# Altium PCB DigitalLabBoard - Save.PcbDoc (part 2 of 2)
Units mil, origin at the board's own origin, x right, y up, seen from the top; angles counter-clockwise.
Board outline 5905.51 x 4133.86 mil, 2 copper layers (Top Layer, Bottom Layer); 169 components, 172 nets, 721 pads, 694 vias.
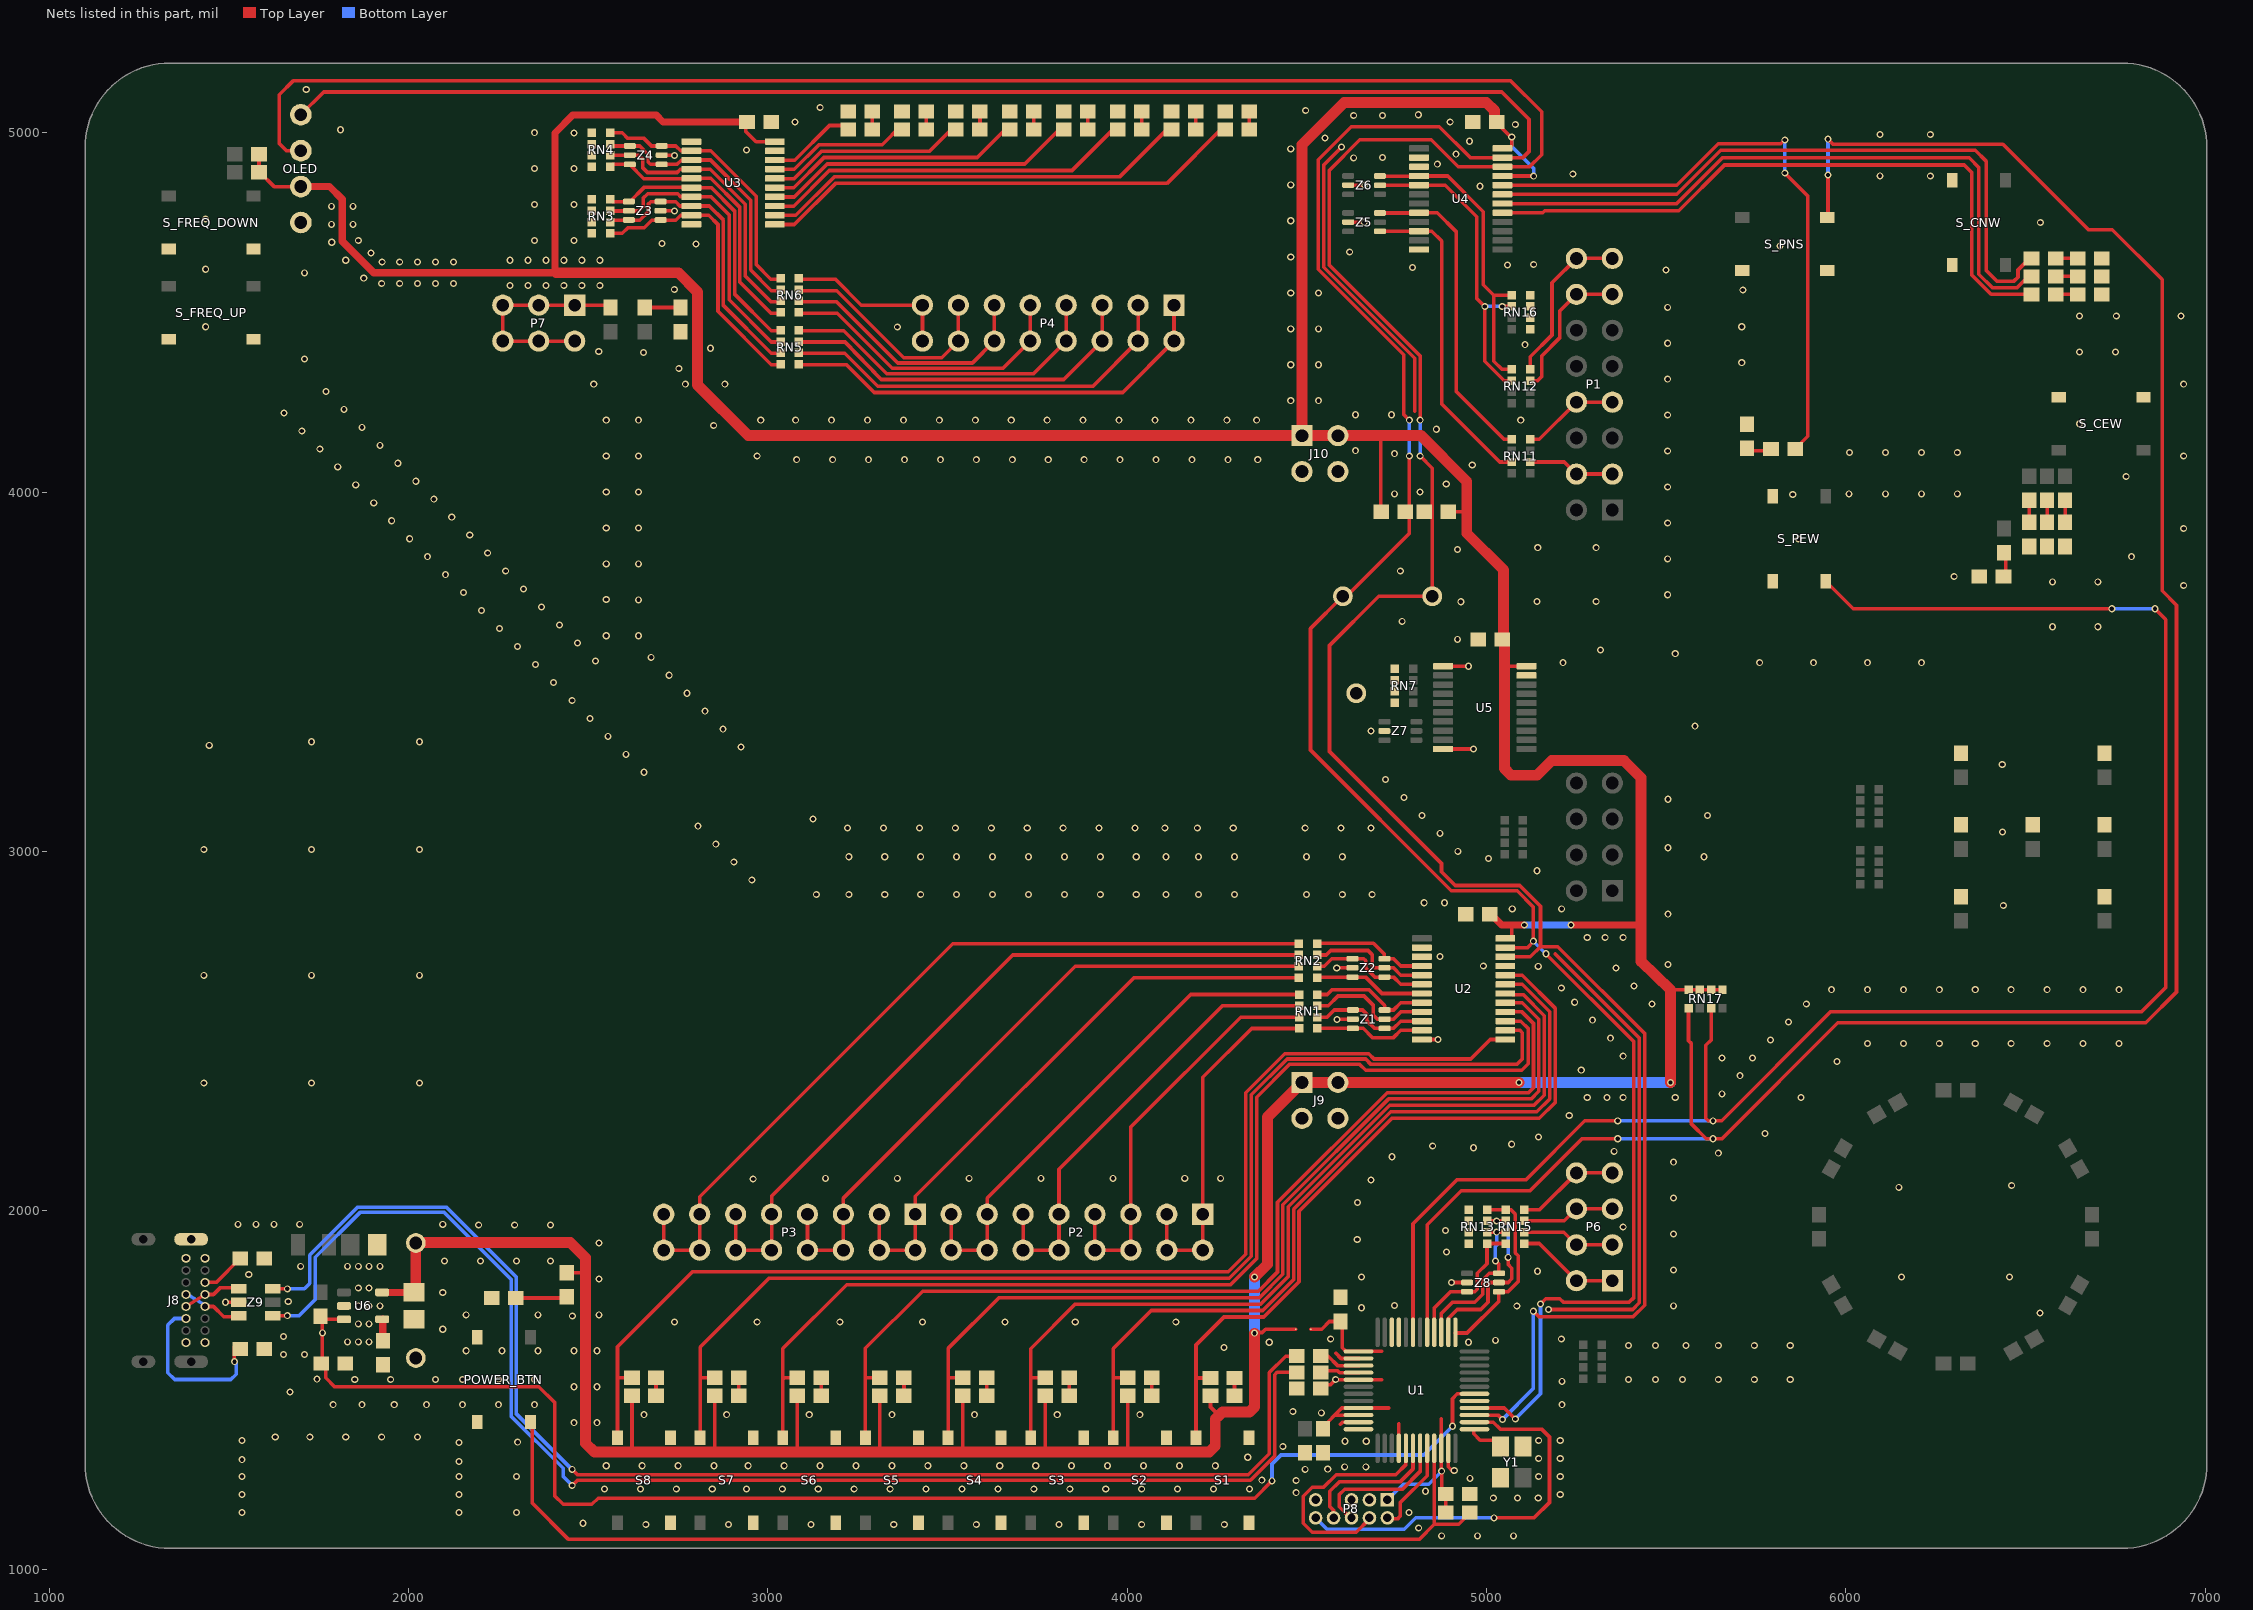
[diagram p2: the nets of this part, all layers, seen from the top]

## Via types
v1: diameter 19.68, hole 11.81, Top Layer to Bottom Layer, tented both sides, 694 vias

## Nets (pads, with @x,y where several pads share a name; then routed paths per layer and width w, separated by ;. In a path a pad name is that pad's centre, name@x,y a point inside that pad or via, vN(x,y) a via of type N, cw(c..) or ccw(c..) an arc to the next point about the centre after c; other vN are vias at no path point) (continued)
GND: C1.1 C2.1 C3.1 C4.1 C5.1 C6.1 C7.1 C8.1 C9.1 C10.1 C11.1 C12.1 D17.K DIE_LED_A.K DIE_LED_B1.K DIE_LED_B2.K DIE_LED_C1.K DIE_LED_C2.K DIE_LED_D1.K DIE_LED_D2.K J8.A1 J8.A12 J8.B1 J8.B12 J8.P1 J9.3 J9.4 J10.3 J10.4 LED_0.K LED_1.K LED_2.K LED_3.K LED_4.K LED_5.K LED_6.K LED_7.K OLED.1 P8.3 P8.5 P8.9 POWER_BTN.2 POWER_BTN.2b R20.1 R21.1 R22.1 R23.1 R24.1 R25.1 R26.1 R27.1 R29.2 R30.2 R32.2 R35.1 RN3.5 RN3.6 RN3.7 RN3.8 RN4.5 RN4.6 RN4.7 RN4.8 RN7.5 RN7.6 RN7.7 RN7.8 RN13.1 RN13.2 RN13.3 RN13.4 RN16.1 RN16.2 RN16.3 RN16.4 S1.1 S1.1b S2.1 S2.1b S3.1 S3.1b S4.1 S4.1b S5.1 S5.1b S6.1 S6.1b S7.1 S7.1b S8.1 S8.1b S_CEW.1 S_CEW.1b S_CNW.1 S_CNW.1b S_FREQ_DOWN.2 S_FREQ_DOWN.2b S_FREQ_UP.2 S_FREQ_UP.2b S_PEW.2 S_PEW.2b S_PNS.1 S_PNS.1b TP_Gnd1.1 TP_Gnd2.1 U1.2 U1.11 U1.12 U1.23 U2.2 U2.3 U2.12 U2.21 U3.1 U3.10 U3.19 U4.2 U4.3 U4.12 U5.1 U5.10 U5.19 U6.2 Y1.2 Y1.4 Z1.2 Z2.2 Z3.2 Z4.2 Z5.2 Z6.2 Z7.2 Z8.2 Z9.2 | length 2938.6
  Top Layer w10: v1(1490,1745) Z9.2@1527.76,1745 ; Z3.2@2701.29,4782.76 2739.35,4782.76 v1(2740,4782.11) ; Z4.2@2704.29,4937.48 2739.35,4937.48 v1(2740,4936.83) ; 4580,1603.58 4595,1588.58 U1.2@4643.58,1588.58 U1.2@4645.55,1588.58 ; v1(4583,2675.59) Z2.2@4627,2675.59 ; v1(4584,2532) 4584.82,2532.82 Z1.2@4627.71,2532.82 ; 4593.17,1405.21 4593.17,1405.56 4599.02,1411.42 U1.11@4643.58,1411.42 U1.11@4645.55,1411.42 ; v1(4596.5,4960) 4546.56,4910.06 4546.56,4625.91 4800,4372.46 4800,4225 ; Z5.2@4614.71,4751 v1(4659.42,4751) ; Z6.2@4614.71,4854 v1(4660,4854) ; U1.12@4643.58,1391.73 U1.12@4645.55,1391.73 ; U2.12@4802.14,2476.25 v1(4865,2476.25) ; U5.10@4882.8,3284.84 v1(4963.49,3284.84) ; U5.1@4882.8,3515.16 v1(4949.84,3515.16) ; U1.23@4893.58,1340.55 U1.23@4893.58,1338.58 4893.14,1287.12 v1@4908,1272.26 ; v1(4902,1800) Z8.2@4945.71,1800 ; v1(5171.92,1725) 5406.65,1725 5425,1743.35 5425,2480.49 5190.48,2715
  other v1: 4875,1095 4975,1095 5075,1095 4811,1117 2660,1126.89 2890,1126.89 3120,1126.89 3350,1126.89 3580,1126.89 3810,1126.89 4040,1126.89 4270,1126.89 2485,1130 1536.18,1160 2140,1160 2300,1160 4784,1160 5018.74,1200 5085.79,1200 5143.77,1200 1536.18,1210 2140,1210 5205,1210 4470,1215 4830,1219 2545,1225 2645,1225 2745,1225 2845,1225 2940,1225 3040,1225 3140,1225 3240,1225 3340,1225 3440,1225 3540,1225 3640,1225 3740,1225 3840,1225 3940,1225 4040,1225 4140,1225 4240,1225 4340,1225 4470,1248.99 4374.39,1250 4954,1255 1536.18,1260 2140,1260 2300,1260 5145,1260 5205,1260 4910,1277 4495,1280 4557.99,1280.45 4605,1287.12 4663.88,1287.12 2550,1290 2650,1290 2750,1290 2850,1290 2945,1290 3045,1290 3145,1290 3245,1290 3345,1290 3445,1290 3545,1290 3645,1290 3745.16,1290 3845,1290 3945,1290 4045,1290 4145,1290 4245,1290 2140,1301.89 1536.18,1306.89 5145,1310 5205,1310 4335.16,1313.69 4433,1343.31 2140,1355 2303.46,1355.76 4606.12,1358.19 4665,1358.19 1536.18,1360 5145,1360 5205,1360 1628.82,1370 1725,1370 1825,1370 1925,1370 2025,1370 2460,1410 2524,1410 2655,1432.21 2885,1432.21 3115,1432.21 3345,1432.21 3575,1432.21 3805,1432.21 4035,1432.21 4540,1437.21 4460.79,1440.79 1790,1460 1870,1460 1960,1460 2050,1460 2150,1460 2250,1460 2350,1460 5210,1460 1670,1495 2460,1510 2524,1510 5210,1525 1850,1530 1950,1530 2075,1530 2150,1530 2250,1530 2350,1530 5395,1530 5470,1530 5545,1530 5645,1530 5745,1530 5845,1530 1745,1530.97 1651.69,1600 1710,1600 2160,1610 2260,1610 2360,1610 2460,1610 2524,1610 4269,1619.39 5395,1625 5470,1625 5555,1625 5645,1625 5745,1625 5845,1625 4395,1633.71 4949.46,1633.71 1830,1635 1860,1635 1890,1635 5025,1639.13 4566.11,1642.64 5208,1642.64 1651.69,1650 2095,1670 1860,1685 1890,1685 2740,1690 2970,1690 3200,1690 3430,1690 3660,1690 3855.2,1690 4135,1690 2455.6,1706.54 2160,1710 2360,1710 2530,1710 6540,1715 4652.19,1729.8 1860,1735 1890,1735 1920,1735 5084.02,1734.87 5520,1735 4743.96,1736.02 1665,1746.81 2095,1772.4 1860,1785 1890,1785 2530,1810 4652.19,1815 6155,1815 6455,1815 1555,1822.52 5141.91,1831.38 5520,1835 1699.45,1845 1830,1845 1860,1845 1890,1845 1920,1845 2100,1860 2200,1860 2300,1860 2395,1860 4888.58,1885 2530,1910 4640,1920 5520,1935 4885.43,1945 5380,1954.69 2195,1960 2295,1960 2395,1960 1525,1961.96 1575,1961.96 1625,1961.96 1696.69,1961.96 2095,1961.96 4641,2022.41 5520,2035 6147.34,2065 6461.37,2070 4678.1,2085 2958.82,2088 3160,2090 3360,2090 3560,2090 3760,2090 3960,2090 4160,2090 4260,2090 5520,2135 4737,2150 5645,2160 5355,2165 4963.49,2175 4850,2180 5069.86,2184.72 5144.21,2205 5775,2215 5230,2265 5280,2315 5335,2315 5380,2315 5525,2315 5875,2315 5655,2325 1430,2355 1730,2355 2030,2355 5705,2375.64 5263.43,2391 5975,2415 5655,2425 5740,2425 5380,2430 6060,2465 6160,2465 6260,2465 6360,2465 6460,2465 6560,2465 6660,2465 6760,2465 5790,2475 5345,2480 5840,2525 5295,2530 5460,2575 5889.74,2575 5245,2580 5960,2615 6060,2615 6160,2615 6260,2615 6360,2615 6460,2615 6560,2615 6660,2615 6760,2615 5208,2619.8 5410,2625 1430,2655 1730,2655 2030,2655 5360,2675 5143.7,2680 4990.98,2680.98 5505,2685 4870,2707.05 5280,2760 5330,2760 5380,2760 5505,2825 5071.37,2840 5209,2840 6438,2849 4826.18,2856.89 4882.8,2856.89 3134.63,2880 3225,2880 3325,2880 3425,2880 3525,2880 3625,2880 3725,2880 3825,2880 3925,2880 4025,2880 4108,2880 4198.46,2880 4298.46,2880 4498.46,2880 4598.46,2880 4681.46,2880 2955,2920 5140,2946.02 2905,2970 5005,2980 3225,2985 3325,2985 3425,2985 3525,2985 3625,2985 3725,2985 3825,2985 3925,2985 4025,2985 4108,2985 4198.46,2985 4298.46,2985 4498.46,2985 4598.46,2985 5605,2985 4920,3000 1430,3005 1730,3005 2030,3005 5505,3010 2855,3020 4870,3050 6436,3054 3221.54,3065 3321.54,3065 3421.54,3065 3521.54,3065 3621.54,3065 3721.54,3065 3821.54,3065 3921.54,3065 4021.54,3065 4104.54,3065 4195,3065 4295,3065 4495,3065 4595,3065 4678,3065 2805,3070 3125,3090 5615,3099.43 4820,3100 5505,3145 4770,3150 4718.96,3200 2655,3220 6435,3241.81 2605,3270 2925,3290 1445,3295 1730,3305 2030,3305 2555,3320 4678,3335 2875,3340 5580,3348.38 2505,3370 2825,3390 2455,3420 2775,3440 2402.79,3470 2725,3490 2352.79,3520 5212.27,3525 5760,3525 5910,3525 6060,3525 6210,3525 2520,3530 2675,3540 5525,3550 5316.85,3560 2302.79,3570 2470,3580 4919.3,3590 2550,3600 2640,3600 2252.79,3620 6575,3625 6701,3625 2420,3630 4765,3640 2202.79,3670 2370,3680 4928.23,3694.61 5140,3695.28 5305,3695 2550,3700.49 2640,3700 5504,3714 2152.79,3720 2320,3730 6940,3740 6575,3750 6701,3750 6301.18,3765 2102.79,3770 2270,3780 4759.88,3780 2550,3800 2640,3800 5504,3814 2052.79,3820 6795,3820 2220,3830 4919.3,3840 5142.27,3845 5305,3845 5868,3869 2002.79,3870 2170,3880 6940,3898.46 2550,3900 2640,3900 5504,3914 1952.79,3920 2120,3930 1902.79,3970 2070,3980 5852,3993 4743.96,3995 6008.5,3995 6110,3995 6210,3995 6310,3995 2550,4000 2640,4000 4814.49,4000 5504,4014 1852.79,4020 4887.8,4022.36 2020,4030 6780,4043.46 1802.79,4070 4960,4075 1970,4080 3080,4090 3180,4090 3280,4090 3380,4090 3480,4090 3580,4090 3680,4090 3780,4090 3880,4090 3980,4090 4080,4090 4180,4090 4280,4090 4363,4090 2550,4100 2640,4100 2970,4100 6940,4100 4743.96,4106.62 6010,4110 6110,4110 6210,4110 6310,4110 5504,4114 4635,4115 1752.79,4120 1920,4130 1702.79,4170 4860,4174.63 1870,4180 2849,4185 6650,4190 2550,4200 2640,4200 2980,4200 3077,4200 3177,4200 3277,4200 3377,4200 3477,4200 3577,4200 3677,4200 3777,4200 3877,4200 3977,4200 4077,4200 4177,4200 4277,4200 4360,4200 5095,4200 5504,4214 4635,4215 4735,4215 1652.79,4220 1820,4230 4455,4254.18 4532.36,4254.18 1770,4280 2515.23,4300 2770,4300 2880,4300 6940,4300 5504,4314 2752,4344 4455,4354.18 4532.36,4354.18 5710,4360 1710.44,4370 2653.79,4388 6650,4390 6750,4390 2529,4391 2840,4400 5107.2,4410 5504,4414 4455,4454.18 4532.36,4454.18 3360,4459.28 1435,4460 5710,4460 6650,4490 6752.6,4490 6932.52,4490 5504,4514 4455,4554.18 4532.36,4554.18 5713.04,4562 2739.35,4563.5 2282,4575 2332,4575 2382,4575 2432,4575 2482,4575 2532,4575 1925,4580 1975,4580 2025,4580 2075,4580 2125,4580 1875,4595 1710.44,4610 5499,4618 1435,4620 4793.57,4624.93 5058,4632 5131,4633 1926.3,4639.93 1975,4640 2025,4640 2075,4640 2125,4640 1825,4645 2282,4645 2332,4645 2382,4645 2432,4645 2482,4645 2532,4645 4455,4654.18 1895,4665 4619,4667.59 5816.7,4685.1 2800,4690 2705,4691.47 1786,4695 1860,4700 2350,4700 2460,4700 1785,4745 1845,4745 6541,4750 4455,4755 1435,4760 1785,4795 1845,4795 2350,4800 2460,4800 4981.51,4851 4455,4855 6095,4880 6235,4879.53 5240,4884.94 2350,4900 2460,4900 4862.83,4912.48 4630,4930 4710,4930.63 4915,4940.32 2940,4952 4455,4955 4952.6,4976.21 4550,4985 6095,4995 6235,4995 2460,4998.99 2350,5000 1810,5008.28 5080,5022.68 3075,5030 4898.68,5030 4630,5047.69 4710,5047.69 4810,5050 4496.5,5061.42 3145.22,5070 1715,5120
LED_D0: R11.2 U3.11 | length 1348.5
  Top Layer w10: U3.11@3037.2,4744.37 3073.37,4744.37 3187.83,4858.83 3200,4858.83 4110.37,4858.83 R11.2@4271.54,5020
LED_D1: R12.2 U3.12 | length 1187.9
  Top Layer w10: U3.12@3037.2,4769.96 3077.75,4769.96 3184.62,4876.83 3978.37,4876.83 R12.2@4121.54,5020
LED_D2: R13.2 U3.13 | length 1027.8
  Top Layer w10: U3.13@3037.2,4795.55 3071.55,4795.55 3170,4894 3170,4894.83 3846.37,4894.83 R13.2@3971.54,5020
LED_D3: R14.2 U3.14 | length 866.7
  Top Layer w10: U3.14@3037.2,4821.14 3073.54,4821.14 3165.23,4912.83 3714.37,4912.83 R14.2@3821.54,5020
LED_D4: R15.2 U3.15 | length 706.1
  Top Layer w10: U3.15@3037.2,4846.73 3071.73,4846.73 3155.83,4930.83 3582.37,4930.83 R15.2@3671.54,5020
LED_D5: R16.2 U3.16 | length 545.5
  Top Layer w10: U3.16@3037.2,4872.32 3073.47,4872.32 3149.97,4948.83 3450.37,4948.83 R16.2@3521.54,5020
LED_D6: R17.2 U3.17 | length 384.9
  Top Layer w10: U3.17@3037.2,4897.91 3072.91,4897.91 3141.83,4966.83 3318.37,4966.83 R17.2@3371.54,5020
LED_D7: R18.2 U3.18 | length 224.3
  Top Layer w10: U3.18@3037.2,4923.5 3074.5,4923.5 3171,5020 R18.2@3221.54,5020
LED_I0: P4.1 P4.2 RN5.5 | length 1233.2
  Top Layer w10: RN5.5@3085.18,4354.51 3218.49,4354.51 3296,4277 3987,4277 P4.2@4130,4420 4130,4510 P4.1@4125,4515
LED_I1: P4.3 P4.4 RN5.6 | length 1131.8
  Top Layer w10: RN5.6@3085.18,4386.01 3213.99,4386.01 3305.48,4294.52 3904.52,4294.52 P4.4@4030,4420 4030,4510 P4.3@4025,4515
LED_I2: P4.5 P4.6 RN5.7 | length 1030.5
  Top Layer w10: RN5.7@3085.18,4417.5 3214.27,4417.5 3315.55,4313 3823,4313 P4.6@3930,4420 3930,4510 P4.5@3925,4515
LED_I3: P4.7 P4.8 RN5.8 | length 922.2
  Top Layer w10: RN5.8@3085.18,4449 3211,4449 3331,4329 3739,4329 P4.8@3830,4420 P4.7@3830,4510
LED_I4: P4.9 P4.10 RN6.5 | length 837
  Top Layer w10: RN6.5@3085.18,4497.5 3192.5,4497.5 3346,4344 3654,4344 P4.10@3730,4420 3730,4510 P4.9@3725,4515
LED_I5: P4.11 P4.12 RN6.6 | length 735.5
  Top Layer w10: RN6.6@3085.18,4529 3191,4529 3361,4359 3569,4359 P4.12@3630,4420 P4.11@3630,4515
LED_I6: P4.13 P4.14 RN6.7 | length 638.2
  Top Layer w10: RN6.7@3085.18,4560.5 3191.5,4560.5 3378,4374 3484,4374 P4.14@3530,4420 3530,4510 P4.13@3525,4515
LED_I7: P4.15 P4.16 RN6.8 | length 474.6
  Top Layer w10: RN6.8@3085.18,4591.99 3188.01,4591.99 3260,4520 P4.15@3430,4520 P4.16@3430,4420
LED_IR0: RN3.1 RN5.4 U3.9 Z3.1 | length 807.2
  Top Layer w10: RN3.1@2561.59,4719.77 2594.56,4719.77 2610.41,4735.61 2655.41,4735.61 2676.31,4756.52 2743.76,4756.52 2757.26,4770.02 2790.39,4770.02 2790.8,4770.43 2835.1,4770.43 2861,4744.54 2861,4503 3009.49,4354.51 RN5.4@3034,4354.51
LED_IR1: RN3.2 RN5.3 U3.8 Z3.3 Z3.6 | length 821.9
  Top Layer w10: RN3.2@2561.59,4751.26 2566.85,4756.52 2643.3,4756.52 2667.41,4780.63 2667.41,4801.46 2673.65,4807.7 2743.3,4807.7 2754.91,4796.09 2790.73,4796.09 2790.8,4796.02 2836.73,4796.02 2876,4756.76 2876,4519 3008.99,4386.01 RN5.3@3034,4386.01
LED_IR2: RN3.3 RN5.2 U3.7 Z3.5 | length 816.4
  Top Layer w10: RN3.3@2561.59,4782.76 2562.24,4782.11 2640.74,4782.11 2652.41,4793.78 2652.41,4817.78 2665.12,4830.5 2748.5,4830.5 2757.8,4821.2 2790.39,4821.2 2790.8,4821.61 2841.39,4821.61 2892,4771 2892,4535 3009.5,4417.5 RN5.2@3034,4417.5
LED_IR3: RN3.4 RN5.1 U3.6 Z3.4 | length 791.5
  Top Layer w10: RN3.4@2561.59,4814.26 2568.15,4807.7 2614.91,4807.7 2654.83,4847.61 U3.6@2790.39,4847.61 ; U3.6@2790.8,4847.2 2841.8,4847.2 2907,4782 2907,4551 3009,4449 RN5.1@3034,4449
LED_IR4: RN4.1 RN6.4 U3.5 Z4.6 | length 769.7
  Top Layer w10: RN4.1@2561.18,4905.34 2567.74,4911.89 2614.5,4911.89 2654.42,4871.98 2789.98,4871.98 2790.8,4872.8 2841.14,4872.8 2922,4791.94 2922,4584 3008.5,4497.5 RN6.4@3034,4497.5
LED_IR5: RN4.2 RN6.3 U3.4 Z4.5 | length 781.2
  Top Layer w10: RN4.2@2561.18,4936.83 2561.83,4937.48 Z4.5@2615.71,4937.48 2640.33,4937.48 2652,4925.81 2652,4901.81 2664.71,4889.1 2746.83,4889.1 2756.12,4898.39 2790.8,4898.39 2839.61,4898.39 2937,4801 2937,4601 3009,4529 RN6.3@3034,4529
LED_IR6: RN4.3 RN6.2 U3.3 Z4.1 Z4.4 | length 777.6
  Top Layer w10: RN4.3@2561.18,4968.33 2566.44,4963.07 Z4.4@2615.71,4963.07 2642.89,4963.07 2667,4938.96 2667,4918.13 2673.24,4911.89 Z4.1@2704.29,4911.89 2746.83,4911.89 2758.44,4923.5 2790.32,4923.5 2790.8,4923.98 2840.02,4923.98 2952,4812 2952,4618 3009.5,4560.5 RN6.2@3034,4560.5
LED_IR7: RN4.4 RN6.1 U3.2 Z4.3 | length 753
  Top Layer w10: RN4.4@2561.18,4999.82 2594.15,4999.82 2610,4983.98 2655,4983.98 2675.9,4963.07 Z4.3@2704.29,4963.07 2743.76,4963.07 2757.26,4949.57 2790.8,4949.57 2840.43,4949.57 2967,4823 2967,4633 3008.01,4591.99 RN6.1@3034,4591.99
NetC12_2: C12.2 U6.4 | length 67.7
  Top Layer w20: U6.4@1928.15,1697.6 C12.2@1928.15,1638.46 1928.15,1630.32 C12.2@1928.46,1630
NetD1_A: D1.A R10.1 | length 60
  Top Layer w10: R10.1@4298.46,1474.21 D1.A@4298.46,1534.21
NetD2_A: D2.A R9.1 | length 60
  Top Layer w10: R9.1@4068.46,1475 D2.A@4068.46,1535
NetD3_A: D3.A R8.1 | length 60
  Top Layer w10: R8.1@3838.46,1475 D3.A@3838.46,1535
NetD4_A: D4.A R7.1 | length 60
  Top Layer w10: R7.1@3608.46,1475 D4.A@3608.46,1535
NetD5_A: D5.A R6.1 | length 60
  Top Layer w10: R6.1@3378.46,1475 D5.A@3378.46,1535
NetD6_A: D6.A R5.1 | length 60.7
  Top Layer w10: R5.1@3148.46,1474.33 D6.A@3148.46,1535
NetD7_A: D7.A R4.1 | length 60
  Top Layer w10: R4.1@2918.46,1475 D7.A@2918.46,1535
NetD8_A: D8.A R3.1 | length 60
  Top Layer w10: R3.1@2688.46,1475 D8.A@2688.46,1535
NetD17_A: D17.A R19.1 | length 148.1
  Top Layer w10: D17.A@2293.46,1756.85 2436.26,1756.85 R19.1@2440,1760.59
NetD_AEW_K: D_AEW.K R21.2 | length 53.1
  Top Layer w10: R21.2@6560,3923.46 D_AEW.K@6560,3976.54
NetD_ANS_K: D_ANS.K R25.2 | length 61.3
  Top Layer w10: D_ANS.K@6583.46,4600 R25.2@6644.72,4600
NetD_CLOCK_K: D_CLOCK.K R32.1 | length 102.1
  Top Layer w10: D_CLOCK.K@2657,4513.46 2752,4513.46 R32.1@2757,4508.46
NetD_GEW_K: D_GEW.K R22.2 | length 53.1
  Top Layer w10: R22.2@6610,3923.46 D_GEW.K@6610,3976.54
NetD_GNS_K: D_GNS.K R26.2 | length 53.1
  Top Layer w10: D_GNS.K@6583.46,4650 R26.2@6636.54,4650
NetD_PEW_K: D_PEW.K R23.2 | length 62.2
  Top Layer w10: R23.2@6443.46,3765 6445,3766.54 D_PEW.K@6445,3826.54
NetD_PNS_K: D_PNS.K R27.2 | length 62.2
  Top Layer w10: R27.2@5725,4116.54 5726.54,4115 D_PNS.K@5786.54,4115
NetD_REW_K: D_REW.K R20.2 | length 53.1
  Top Layer w10: R20.2@6510,3923.46 D_REW.K@6510,3976.54
NetD_RNS_K: D_RNS.K R24.2 | length 61.3
  Top Layer w10: D_RNS.K@6583.46,4550 R24.2@6644.72,4550
NetJ8_A5: J8.A5 R29.1 | length 125.8
  Top Layer w10: J8.A5@1433.46,1800.2 1464.61,1800.2 R29.1@1531.54,1867.13
NetJ8_B5: J8.B5 R30.1 | length 475.9
  Top Layer w10: v1(1515,1579.72) R30.1@1515,1621.54
  Bottom Layer w10: J8.B5@1385.32,1699.8 1348.23,1699.8 1330,1681.57 1330,1549.19 1349.19,1530 1505,1530 1520,1545 v1@1520,1579.72
NetLED_0_A: LED_0.A R11.1 | length 50
  Top Layer w10: R11.1@4340,4998.99 LED_0.A@4340,5048.99
NetLED_1_A: LED_1.A R12.1 | length 50
  Top Layer w10: R12.1@4190,4998.99 LED_1.A@4190,5048.99
NetLED_2_A: LED_2.A R13.1 | length 50
  Top Layer w10: R13.1@4040,4998.99 LED_2.A@4040,5048.99
NetLED_3_A: LED_3.A R14.1 | length 50
  Top Layer w10: R14.1@3890,4998.99 LED_3.A@3890,5048.99
NetLED_4_A: LED_4.A R15.1 | length 50
  Top Layer w10: R15.1@3740,4998.99 LED_4.A@3740,5048.99
NetLED_5_A: LED_5.A R16.1 | length 50
  Top Layer w10: R16.1@3590,4998.99 LED_5.A@3590,5048.99
NetLED_6_A: LED_6.A R17.1 | length 50
  Top Layer w10: R17.1@3440,4998.99 LED_6.A@3440,5048.99
NetLED_7_A: LED_7.A R18.1 | length 50
  Top Layer w10: R18.1@3290,4998.99 LED_7.A@3290,5048.99
NetP7_1: P7.1 P7.2 P7.3 P7.4 P7.5 P7.6 R36.1 | length 602.6
  Top Layer w10: P7.5@2266.65,4516.5 P7.5@2266.65,4518.46 ; P7.2@2462,4420 P7.4@2362,4420 P7.6@2262,4420 P7.5@2262,4520 P7.3@2362,4520 P7.1@2462,4520 2560.46,4520 R36.1@2562,4518.46
NS_AMBER_LED: D_ANS.A U4.18 | length 1843.9
  Top Layer w10: U4.18@5061.86,4802.76 5529.14,4802.76 5656.38,4930 6343.21,4930 6370,4903.21 6370,4606 6407,4569 6477,4569 6508,4600 D_ANS.A@6516.54,4600
NS_CAR_B: P1.7 P1.8 RN11.4 | length 271.7
  Top Layer w10: RN11.4@5121.18,4146.5 5146.5,4146.5 P1.8@5250,4250 P1.7@5350,4250
NS_CAR_O: RN11.5 U4.8 Z5.6 | length 888.9
  Top Layer w10: Z5.6@4703.29,4776.59 4793.57,4776.59 4794.14,4777.17 4862.83,4777.17 4915,4725 4915,4280 5048.5,4146.5 RN11.5@5070,4146.5
NS_GREEN_LED_BTN: D_GNS.A U4.19 | length 1872.1
  Top Layer w10: U4.19@5061.86,4828.35 5529.27,4828.35 5651.93,4951 6360,4951 6390,4921 6390,4617 6420,4587 6468,4587 6479,4598 6479,4617.95 6511.05,4650 D_GNS.A@6516.54,4650
NS_LIGHTS0_B: P1.15 P1.16 RN12.4 | length 461.9
  Top Layer w10: RN12.4@5121.18,4341.5 5121.18,4376.18 5182.01,4437.01 5182.01,4582.01 P1.16@5250,4650 P1.15@5350,4650
NS_LIGHTS0_I: RN12.5 RN16.5 U4.4 Z6.6 | length 868.3
  Top Layer w10: Z6.6@4703.29,4879.2 4793.82,4879.2 4794.14,4879.53 4891.47,4879.53 4991,4780 4991,4577.22 5020.23,4547.99 ; RN16.5@5068.5,4549.49 RN16.5@5070,4547.99 5020.23,4547.99 ; RN12.5@5070,4341.5 5042.81,4341.5 5020,4364.31 5020,4547.76 5020.23,4547.99
NS_LIGHTS1_B: P1.13 P1.14 RN12.3 | length 405.3
  Top Layer w10: RN12.3@5121.18,4310 5141.57,4310 5153.06,4321.5 5153.06,4378.52 5203.05,4428.5 5203.05,4503.05 P1.14@5250,4550 P1.13@5350,4550
NS_LIGHTS1_I: RN12.6 RN16.6 U4.5 Z6.5 | length 889.8
  Top Layer w10: Z6.5@4703.29,4853.61 4793.82,4853.61 4794.14,4853.94 4885.06,4853.94 4973,4766 4973,4538.5 v1(4995,4516.5) 4995,4363.85 5048.85,4310 RN12.6@5070,4310 ; v1(5043.5,4516.5) RN16.6@5070,4516.5
  Bottom Layer w10: v1(4995,4516.5) v1(5043.5,4516.5)
NS_PED_B: P1.3 P1.4 RN11.2 | length 242.7
  Top Layer w10: RN11.2@5121.18,4083.5 5216.5,4083.5 P1.4@5250,4050 P1.3@5350,4050
NS_PED_LED_BN: D_PNS.A U4.20 | length 1728.7
  Top Layer w10: U4.20@5061.86,4853.94 5529.41,4853.94 5644.47,4969 5819,4969 v1(5830,4980) ; v1(5830,4888) 5894,4824 5894,4155.54 D_PNS.A@5853.46,4115
  Bottom Layer w10: v1(5830,4888) v1(5830,4980)
NS_PED_O: RN11.7 U4.10 Z5.4 | length 898.7
  Top Layer w10: Z5.4@4703.29,4725.41 4793.57,4725.41 4794.14,4725.99 4847.44,4725.99 4875,4698.42 4875,4245 5036.5,4083.5 RN11.7@5070,4083.5
NS_RED_LED: D_RNS.A U4.17 | length 1825.9
  Top Layer w10: U4.17@5061.86,4777.17 5155.99,4777.17 5161.82,4783 5534.84,4783 5661.84,4910 6329.21,4910 6350,4889.21 6350,4604 6404,4550 D_RNS.A@6516.54,4550
PB_I0: D1.K S1.2 U2.20 | length 2114.4
  Top Layer w10: S1.2@4191.18,1368.11 4191.18,1534.21 ; D1.K@4231.54,1535 D1.K@4231.54,1534.21 4191.18,1534.21 ; U2.20@5069.86,2655.39 5098.85,2655.39 5190.48,2563.75 5190.48,2300.49 5146.94,2256.94 4736.79,2256.94 4478,1998.15 4478,1802.21 4379.79,1704 4269,1704 4191.18,1626.18 4191.18,1534.21
PB_I1: D2.K S2.2 U2.19 | length 2285
  Top Layer w10: S2.2@3961.18,1368.11 3961.18,1535 ; D2.K@4001.54,1535 3961.18,1535 ; U2.19@5069.86,2629.8 5098.98,2629.8 5175.48,2553.29 5175.48,2310.94 5139.48,2274.94 4733.58,2274.94 4463,2004.36 4463,1808.43 4376.57,1722 4067,1722 3961.18,1616.18 3961.18,1535
PB_I2: D3.K S3.2 U2.18 | length 2461.2
  Top Layer w10: S3.2@3731.18,1368.11 3731.18,1534.21 ; D3.K@3771.54,1535 3731.97,1535 3731.18,1534.21 ; U2.18@5069.86,2604.2 5073.59,2600.47 5102.85,2600.47 5160.48,2542.84 5160.48,2321.4 5132.03,2292.94 4730.37,2292.94 4448,2010.57 4448,1816.57 4371.43,1740 3855.2,1740 3731.18,1615.98 3731.18,1534.21
PB_I3: D4.K S4.2 U2.17 | length 2640.2
  Top Layer w10: S4.2@3501.18,1368.11 3501.18,1530 ; D4.K@3541.54,1535 3506.18,1535 3501.18,1530 ; U2.17@5069.86,2578.61 5099.25,2578.61 5145.48,2532.38 5145.48,2331.85 5124.57,2310.94 4727.15,2310.94 4433,2016.79 4433,1822.79 4368.21,1758 3643,1758 3501.18,1616.18 3501.18,1530
PB_I4: D5.K S5.2 U2.16 | length 2816.3
  Top Layer w10: S5.2@3271.18,1368.11 3271.18,1532.01 ; D5.K@3311.54,1535 3274.17,1535 3271.18,1532.01 ; U2.16@5069.86,2553.02 5098.53,2553.02 5130.48,2521.07 5130.48,2342.31 5116.51,2328.34 4723.34,2328.34 4418,2023 4418,1829 4365,1776 3430.45,1776 3271.18,1616.73 3271.18,1532.01
PB_I5: D6.K S6.2 U2.15 | length 3122
  Top Layer w10: S6.2@3041.18,1368.11 3041.18,1530 ; D6.K@3081.54,1535 3046.18,1535 3041.18,1530 ; U2.15@5069.86,2527.43 5095.05,2527.43 5115.48,2507 5115.48,2408.49 5098,2391 4663.29,2391 4647.37,2406.92 4451.01,2406.92 4360,2315.91 4360,1866.62 4287.38,1794 3219,1794 3041.18,1616.18 3041.18,1530
PB_I6: D7.K S7.2 U2.14 | length 3291.8
  Top Layer w10: S7.2@2811.18,1368.11 2811.18,1535 ; D7.K@2851.54,1535 2811.18,1535 ; U2.14@5071.83,2501.84 5092.88,2501.84 5099.25,2495.47 5099.25,2422.05 5084.13,2406.92 4678.29,2406.92 4663.29,2421.92 4444.8,2421.92 4345,2322.12 4345,1872.84 4284.16,1812 3002.91,1812 2811.18,1620.27 2811.18,1535
PB_I7: D8.K S8.2 U2.13 | length 3411.9
  Top Layer w10: S8.2@2581.18,1368.11 2581.18,1535 ; D8.K@2621.54,1535 2581.18,1535 ; U2.13@5069.86,2476.25 5010.54,2476.25 4956.21,2421.92 4686.72,2421.92 4671.72,2436.92 4438.58,2436.92 4330,2328.34 4330,1879.05 4280.95,1830 2790,1830 2581.18,1621.18 2581.18,1535
PB_O0: P2.1 P2.2 P2.3 P2.4 RN1.8 | length 1005.3
  Top Layer w10: P2.3@4110,1990 P2.4@4110,1890 P2.2@4210,1890 P2.1@4210,1990 4210,2371.01 4346,2507.01 RN1.8@4478,2507.01
PB_O1: P2.5 P2.6 P2.7 P2.8 RN1.7 | length 1137.5
  Top Layer w10: P2.7@3910,1990 P2.8@3910,1890 P2.6@4010,1890 P2.5@4010,1990 4010,2233 4315.5,2538.5 RN1.7@4478,2538.5
PB_O2: P2.9 P2.10 P2.11 P2.12 RN1.6 | length 1281.5
  Top Layer w10: P2.11@3710,1990 P2.12@3710,1890 P2.10@3810,1890 P2.9@3810,1990 3810,2115 4265,2570 RN1.6@4478,2570
PB_O3: P2.13 P2.14 P2.15 P2.16 RN1.5 | length 1447.7
  Top Layer w10: P2.15@3510,1990 P2.16@3510,1890 P2.14@3610,1890 P2.13@3610,1990 3610,2035 4176.5,2601.5 RN1.5@4478,2601.5
PB_O4: P3.1 P3.2 P3.3 P3.4 RN2.8 | length 1670.1
  Top Layer w10: P3.3@3310,1990 P3.4@3310,1890 P3.2@3410,1890 P3.1@3410,1990 3410,2040 4018.5,2648.5 RN2.8@4477.82,2648.5 RN2.8@4478,2648.5
PB_O5: P3.5 P3.6 P3.7 P3.8 RN2.7 | length 1880.2
  Top Layer w10: P3.7@3110,1990 P3.8@3110,1890 P3.6@3210,1890 P3.5@3210,1990 3210,2035 3855,2680 RN2.7@4477.82,2680 RN2.7@4478,2680
PB_O6: P3.9 P3.10 P3.11 P3.12 RN2.6 | length 2096.1
  Top Layer w10: P3.11@2910,1990 P3.12@2910,1890 P3.10@3010,1890 P3.9@3010,1990 3010,2040 3681.5,2711.5 RN2.6@4477.82,2711.5 RN2.6@4478,2711.5
PB_O7: P3.13 P3.14 P3.15 P3.16 RN2.5 | length 2308.3
  Top Layer w10: P3.15@2710,1990 P3.16@2710,1890 P3.14@2810,1890 P3.13@2810,1990 2810,2038.46 3514.53,2742.99 RN2.5@4477.82,2742.99 RN2.5@4478,2742.99
PB_OR0: RN1.1 U2.11 Z1.3 | length 292
  Top Layer w10: RN1.1@4529.18,2507.01 4529.4,2507.23 Z1.3@4627.71,2507.23 4656.41,2507.23 4682,2481.64 4740.82,2481.64 4761.02,2501.84 U2.11@4802.14,2501.84
PB_OR1: RN1.2 U2.10 Z1.1 Z1.4 | length 322
  Top Layer w10: RN1.2@4529.18,2538.5 4555.8,2538.5 4575.7,2558.41 Z1.1@4627.71,2558.41 4654.59,2558.41 4667,2546 4667,2528 4687.77,2507.23 Z1.4@4716.29,2507.23 ; Z1.4@4715.58,2507.23 4740.82,2507.23 4761.02,2527.43 U2.10@4802.14,2527.43
PB_OR2: RN1.3 U2.9 Z1.5 | length 335.1
  Top Layer w10: RN1.3@4529.18,2570 4559,2570 4586.28,2597.28 4658.72,2597.28 4685,2571 4685,2544 4696.18,2532.82 Z1.5@4716.29,2532.82 4740.82,2532.82 4761.02,2553.02 U2.9@4802.14,2553.02
PB_OR3: RN1.4 U2.8 Z1.6 | length 318.5
  Top Layer w10: RN1.4@4529.18,2601.5 4556.29,2601.5 4570.08,2615.28 4671.72,2615.28 4716.29,2570.71 Z1.6@4716.29,2558.41 ; Z1.6@4715.58,2558.41 4740.82,2558.41 4761.02,2578.61 U2.8@4802.14,2578.61
PB_OR4: RN2.1 U2.7 Z2.3 | length 292.7
  Top Layer w10: RN2.1@4529,2648.5 4530.5,2650 Z2.3@4627,2650 4663.15,2650 4708.95,2604.2 U2.7@4802.14,2604.2
PB_OR5: RN2.2 U2.6 Z2.1 Z2.4 | length 323.6
  Top Layer w10: RN2.2@4529,2680 4548,2680 4569.18,2701.18 Z2.1@4627,2701.18 4658.11,2701.18 4663.29,2696 4663.29,2675.32 4688.61,2650 Z2.4@4715.58,2650 4740.82,2650 4761.02,2629.8 U2.6@4802.14,2629.8
PB_OR6: RN2.3 U2.5 Z2.5 | length 324.3
  Top Layer w10: RN2.3@4529,2711.5 4553.5,2711.5 4566,2724 4670,2724 4681.29,2712.71 4681.29,2682.77 4688.47,2675.59 Z2.5@4715.58,2675.59 4740.82,2675.59 4761.02,2655.39 U2.5@4802.14,2655.39
PB_OR7: RN2.4 U2.4 Z2.6 | length 306.8
  Top Layer w10: RN2.4@4529,2742.99 4530.01,2744 4685,2744 4715.58,2713.42 Z2.6@4715.58,2701.18 4740.82,2701.18 4761.02,2680.98 U2.4@4802.14,2680.98
PED_EW_BTN: RN17.7 S_PEW.1b U1.43 | length 5020.8
  Top Layer w10: U1.43@4795.16,1661.42 4795.16,1963.58 4917.07,2085.5 5108.56,2085.5 5273.06,2250 v1(5365,2250) v1@5366,2250 ; RN17.7@5625,2563.82 5625,2475 5610,2460 5610,2256.89 5616.89,2250 v1(5630,2250) 5654,2250 5958,2554 6823,2554 6890,2621 6890,3645 v1(6860,3675) ; S_PEW.1b@5943.82,3751.89 6020.71,3675 v1(6740,3675)
  Bottom Layer w10: v1(5365,2250) v1(5630,2250) ; v1(6740,3675) v1(6860,3675)
PED_NS_BTN: RN17.5 S_PNS.2 U1.41 | length 6366.1
  Top Layer w10: U1.41@4834.53,1661.42 4834.53,1960.53 4929.5,2055.5 5120.99,2055.5 5265.49,2200 v1(5365,2200) ; RN17.5@5562.01,2563.82 5562.01,2472.99 5570,2465 5570,2241.1 5611.1,2200 v1(5630,2200) 5655,2200 5977.6,2522.6 6834.03,2522.6 6920,2608.57 6920,3685 6880,3725 6880,4591.21 6741.21,4730 6675,4730 6437,4968 5964,4968 v1(5950,4982) ; S_PNS.2@5948.11,4763.82 5950,4765.71 v1(5950,4882)
  Bottom Layer w10: v1(5365,2200) v1(5630,2200) ; v1(5950,4882) v1(5950,4982)
PH0: P6.7 P6.8 RN15.4 | length 287.3
  Top Layer w10: RN15.4@5105,2002.99 5147.99,2002.99 P6.8@5250,2105 P6.7@5350,2105
PH0_I: RN13.8 RN15.5 U1.37 Z8.4 | length 524.5
  Top Layer w10: U1.37@4913.27,1659.45 4945.55,1659.45 5034.29,1748.19 Z8.4@5034.29,1774.41 5059.72,1774.41 5088,1802.69 5088,1874.3 5080,1882.3 5080,1990.46 5067.47,2002.99 RN15.5@5053.82,2002.99 RN13.8@5001.18,2002.99
PH1: P6.5 P6.6 RN15.3 | length 258.9
  Top Layer w10: RN15.3@5105,1971.5 5216.5,1971.5 P6.6@5250,2005 P6.5@5350,2005
PH1_I: RN13.7 RN15.6 U1.38 Z8.5 | length 534.7
  Top Layer w10: U1.38@4893.58,1659.45 U1.38@4893.58,1661.42 4893.58,1700 4918.58,1725 4983.98,1725 5004,1745.02 5004,1794 5010,1800 Z8.5@5034.29,1800 5059.86,1800 5070,1810.14 5070,1840 5060,1850 v1(5060,1870) ; RN13.7@5001.18,1971.5 v1(5028,1971.5) RN15.6@5053.82,1971.5
  Bottom Layer w10: v1(5028,1971.5) 5048.5,1971.5 5060,1960 v1(5060,1870)
PH2: P6.3 P6.4 RN15.2 | length 259.5
  Top Layer w10: RN15.2@5105,1940 5215,1940 P6.4@5250,1905 P6.3@5350,1905
PH2_I: RN13.6 RN15.7 U1.39 Z8.6 | length 465.7
  Top Layer w10: U1.39@4873.9,1659.45 U1.39@4873.9,1661.42 4873.9,1713.9 4905,1745 4967,1745 4989,1767 4989,1807.37 5007.22,1825.59 Z8.6@5034.29,1825.59 5034.29,1850.12 v1(5024.41,1860) ; RN13.6@5001.18,1940 5006.18,1935 5011.18,1940 v1(5028,1940) 5043.82,1940 5048.82,1935 RN15.7@5053.82,1940
  Bottom Layer w10: v1(5024.41,1860) 5024.41,1900 5028,1903.59 v1(5028,1940)
PH3: P6.1 P6.2 RN15.1 | length 287.9
  Top Layer w10: RN15.1@5105,1908.5 5146.5,1908.5 P6.2@5250,1805 P6.1@5350,1805
PH3_I: RN13.5 RN15.8 U1.40 Z8.3 | length 400.4
  Top Layer w10: U1.40@4854.21,1661.42 4854.21,1729.21 4899.41,1774.41 Z8.3@4945.71,1774.41 4967.41,1774.41 4974,1781 4974,1825.44 5001.18,1852.62 RN13.5@5001.18,1908.5 RN15.8@5053.82,1908.5
POWER_BTN: POWER_BTN.1b R38.2 U1.21 | length 3135.6
  Top Layer w10: POWER_BTN.1b@2343.82,1411.89 2343.82,1186.22 2445.04,1085 4812.32,1085 4854.21,1126.89 ; U1.21@4854.21,1338.58 4854.21,1126.89 ; R38.2@4963.46,1170 4963.46,1167.55 4922.81,1126.89 4854.21,1126.89
PTB2: U1.29
PTD4: U1.45
PTD5: U1.46
PWR_EN: R35.2 R37.1 U1.30 U6.3 | length 3939.3
  Top Layer w10: U6.3@1820,1697.6 1768.94,1697.6 1760,1706.54 v1(1760,1660) 1760,1578.46 R35.2@1756.54,1575 1768.94,1562.6 1768.94,1535 1793.78,1510.16 2362.32,1510.16 2406.54,1465.94 2406.54,1205.96 2430,1182.5 2510,1182.5 2527.5,1200 4354.49,1200 v1(4402.64,1248.16) ; U6.3@1820,1700.24 U6.3@1821.85,1700.24 ; v1(4905,1400) 4905,1476.93 4918.23,1490.16 U1.30@4966.42,1490.16
  Bottom Layer w10: v1(4402.64,1248.16) 4402.64,1294.87 4427.78,1320 4825,1320 v1(4905,1400)
RESETb: P8.10 U1.26 | length 1105
  Top Layer w10: U1.26@4964.45,1411.42 U1.26@4966.42,1411.42 5018.74,1411.42 5038,1392.16 5152.84,1392.16 5175,1370 5175,1187.84 5132.16,1145 v1(5020.79,1145)
  Bottom Layer w10: P8.10@4524,1145 4555.9,1113.1 4771.16,1113.1 4803.06,1145 v1(5020.79,1145)
SCL: OLED.3 R2.1 TP_SCL.1 U1.27 U2.22 U4.22 | length 9379.7
  Top Layer w10: OLED.3@1700,4950 1660,4950 1640,4970 1640,5105.25 1679.75,5145 5066,5145 5153.06,5057.94 5153.06,4938.65 5119.54,4905.12 4920.88,4905.12 4846,4980 4647.21,4980 4561.56,4894.35 4561.56,4632.12 4815,4378.68 v1(4815,4200) ; v1(4815,4100) 4848.78,4066.22 TP_SCL.1@4848.78,3710 4700,3710 4562.78,3572.78 4562.78,3277.93 4874.57,2966.13 4874.57,2942.79 4912.36,2905 5092.26,2905 5150.03,2847.23 5150.03,2734.84 ; U1.27@4966.42,1431.1 5031.9,1431.1 v1(5044,1419) ; U2.22@5069.86,2706.57 5121.76,2706.57 5150.03,2734.84 ; v1(5130,1720) 5144.84,1705.16 5408.02,1705.16 5440,1737.14 5440,2493.21 5198.36,2734.84 5150.03,2734.84
  Bottom Layer w10: v1(4815,4100) v1(4815,4200) ; v1(5044,1419) 5130,1505 v1(5130,1720)
SDA: OLED.4 R1.1 TP_SDA.1 U1.28 U2.23 U4.23 | length 8925.8
  Top Layer w10: OLED.4@1700,5050 1763.33,5113.33 5041.85,5113.33 5118.02,5037.16 5118.02,4947.53 5101.21,4930.71 4954.29,4930.71 4868.23,5016.77 4623.66,5016.77 4531.56,4924.67 4531.56,4619.69 4769.5,4381.75 4769.5,4215.5 v1(4785,4200) ; v1(4785,4100) 4784.29,4099.29 4784.29,3884.29 4610,3710 TP_SDA.1@4600,3710 4510,3620 4510,3281.9 4901.9,2890 5085,2890 5130,2845 v1(5130,2750) 5130,2748 5114.16,2732.16 U2.23@5069.86,2732.16 ; U1.28@4964.45,1450.79 U1.28@4966.42,1450.79 5049.21,1450.79 v1(5080,1420) ; v1(5150,1740) 5165,1755 5203.68,1755 5213.84,1744.84 5396.49,1744.84 5410,1758.35 5410,2470 v1(5165,2715)
  Bottom Layer w10: v1(4785,4100) v1(4785,4200) ; v1(5080,1420) 5150,1490 v1(5150,1740) ; v1(5130,2750) v1(5165,2715)
SWD_CLK: P8.4 U1.17 | length 653.9
  Top Layer w10: P8.4@4674,1142 4637,1105 4515,1105 4490,1130 4490,1205 4515,1230 4546.18,1230 4581.18,1265 4747,1265 4775.47,1293.47 U1.17@4775.47,1338.58 U1.17@4775.47,1340.55
SWD_DIO: P8.2 U1.20 | length 260.7
  Top Layer w10: P8.2@4724,1142 4752,1142 4760,1150 4760,1188 4834.53,1262.53 U1.20@4834.53,1338.58 U1.20@4834.53,1340.55
SWD_Rx: P8.8 U1.18 | length 397.6
  Top Layer w10: P8.8@4574,1142 4574,1166.54 4563.82,1176.72 4563.82,1218.82 4590,1245 4759,1245 4795.16,1281.16 U1.18@4795.16,1338.58 U1.18@4795.16,1340.55
SWD_Tx: P8.6 U1.19 | length 400.1
  Top Layer w10: P8.6@4624,1142 4590,1176 4590,1210 4605,1225 4766,1225 4814.84,1273.84 U1.19@4814.84,1338.58 U1.19@4814.84,1340.55
USBD+: J8.A6 J8.B6 Z9.1 | length 169.6
  Top Layer w10: J8.B6@1380.32,1733.27 J8.A6@1433.46,1766.73 1456.73,1766.73 1474.94,1784.94 Z9.1@1532.76,1784.94
USBD-: J8.A7 J8.B7 Z9.3 | length 175.9
  Top Layer w10: J8.A7@1433.46,1733.27 1456.73,1733.27 1485,1705 1527.62,1705 Z9.3@1532.76,1710.13
  Bottom Layer w10: J8.B7@1385.32,1766.73 J8.A7@1438.46,1733.27
USBDM: R31.2 U1.4 | length 112.7
  Top Layer w10: R31.2@4538.46,1545 4547.36,1553.9 4586.1,1553.9 4590.79,1549.21 U1.4@4643.58,1549.21 U1.4@4645.55,1549.21
USBDM_R: R31.1 Z9.4 | length 3851.3
  Top Layer w10: Z9.4@1622.24,1707.6 v1(1662.4,1707.6) ; v1(2455,1235) 2470,1250 4342.74,1250 4410,1317.26 4410,1543.13 4416.87,1550 R31.1@4471.54,1550
  Bottom Layer w10: v1(1662.4,1707.6) 1695,1707.6 1740,1752.6 1740,1870.2 1864.8,1995 2098.79,1995 2285,1808.79 2285,1427.79 2430,1282.79 2430,1260 v1(2455,1235)
USBDP: R28.2 U1.3 | length 117.9
  Top Layer w10: R28.2@4538.46,1595 4558.9,1595 4585,1568.9 U1.3@4643.58,1568.9 U1.3@4645.55,1568.9
USBDP_R: R28.1 Z9.6 | length 3794.5
  Top Layer w10: Z9.6@1622.24,1782.4 v1(1662.4,1782.4) ; v1(2455,1280) 2470,1265 4336.53,1265 4395,1323.47 4395,1549.34 4440.66,1595 4451.54,1595 4451.54,1593.79 R28.1@4460.93,1584.39 ; R28.1@4466.54,1600 R28.1@4471.54,1595
  Bottom Layer w10: v1(1662.4,1782.4) 1710,1782.4 1725,1797.4 1725,1876.41 1858.59,2010 2105,2010 2300,1815 2300,1434 v1@2454.5,1279.5 ; v1@2453.15,1278.15 v1@2454.5,1279.5 ; v1(2455,1280) v1@2454.5,1279.5
Vcc: C1.2 C4.2 C5.2 C6.2 C11.2 J9.1 J9.2 J10.1 J10.2 OLED.2 R1.2 R2.2 R3.2 R4.2 R5.2 R6.2 R7.2 R8.2 R9.2 R10.2 R19.2 R33.2 R34.2 RN17.1 RN17.2 RN17.3 RN17.4 TP_Vdd.1 U2.24 U3.20 U4.21 U4.24 U5.20 U6.5 V_LNK.1 | length 16409.7
  Top Layer w10: R33.2@1583.46,4940 R34.2@1583.46,4890 1585.43,4890 1625.43,4850 OLED.2@1700,4850 ; R19.2@2440,1827.52 2489.71,1827.52 2492.19,1830 ; 2621.54,1318.46 2621.54,1328.11 R3.2@2621.54,1485 ; 2851.54,1318.46 2851.54,1328.11 R4.2@2851.54,1485 ; C6.2@2937.71,5030 2937.71,5004.29 2966.84,4975.16 U3.20@3015.2,4975.16 ; 3081.54,1318.46 3081.54,1328.11 R5.2@3081.54,1485 ; 3311.54,1318.46 3311.54,1328.11 R6.2@3311.54,1485 ; 3541.54,1318.46 3541.54,1328.11 R7.2@3541.54,1485 ; 3771.54,1318.46 3771.54,1328.11 R8.2@3771.54,1485 ; 4001.54,1318.46 4001.54,1328.11 R9.2@4001.54,1485 ; R10.2@4231.54,1485 4231.54,1453.46 4255,1430 ; v1(4354,1659) 4355.85,1660.85 4375.66,1660.85 4384.8,1670 V_LNK.1@4469,1670 ; R1.2@4705.54,3953.12 4705.54,4156.89 ; R2.2@4893.46,3945 4944,3945 4945,3944 ; C4.2@5043.27,5011.73 v1@5070,4985 ; 5049.84,3514 5051,3515.16 U5.20@5107.2,3515.16 ; U4.21@5061.86,4879.53 v1@5131,4879.53 ; U4.24@5061.86,4956.3 5070,4964.44 v1@5070,4985 ; U2.24@5069.86,2757.75 5069.86,2794.86 5070,2795 ; v1(5070,4988) v1@5070,4985 ; 5509.84,2615 5510.68,2615 RN17.4@5562.01,2615 RN17.3@5593.5,2615 RN17.2@5625,2615 RN17.1@5656.5,2615
  Top Layer w20: OLED.2@1700,4850 1780,4850 1815,4815 1815,4698 1903,4610 2403.32,4610 2407.16,4613.84 ; U6.5@1926.3,1772.4 C11.2@2000,1772.4 ; 2411,4610 2407.16,4613.84 ; 2803.46,4513.46 2804,4514 ; C6.2@2937.71,5030 2708,5030 2689,5049 2456.65,5049 2407.16,4999.51 2407.16,4613.84 ; C1.2@5012.4,2825 5042.4,2795 5070,2795 v1(5105,2795) ; v1(5235,2795) 5430,2795
  Top Layer w30: C11.2@2015,1772.4 2020,1777.4 TP_Vdd.1@2020,1910 2020,1911.42 2449.74,1911.42 2492.19,1868.97 2492.19,1830 2492.19,1352.81 2516.89,1328.11 2621.54,1328.11 2851.54,1328.11 3081.54,1328.11 3311.54,1328.11 3541.54,1328.11 3771.54,1328.11 4001.54,1328.11 4228.11,1328.11 4245,1345 4245,1420 4255,1430 4265,1440 4340.12,1440 4354,1453.88 v1(4354,1659) ; 2411,4610 2750.8,4610 2804,4556.8 2804,4514 2804,4298 2945.11,4156.89 J10.1@4486.18,4156.89 ; v1(4354,1815) 4390,1851 4390,2260.71 J9.1@4486.18,2356.89 J9.2@4586.18,2356.89 v1(5090.39,2356.89) ; C4.2@5031.54,5033.07 C4.2@5028.46,5030 5026.5,5030 5021.81,5034.69 5021.81,5061.42 4999.23,5084 4604,5084 4486.18,4966.18 J10.1@4486.18,4156.89 ; C5.2@5047.4,3590 5047.4,3782.6 4945,3885 4945,3944 4945,4029.02 4817.13,4156.89 4705.54,4156.89 J10.2@4586.18,4156.89 J10.1@4486.18,4156.89 ; C5.2@5049.84,3576.68 5049.84,3514 5049.84,3230.16 5068.19,3211.81 5140,3211.81 5181.19,3253 5382,3253 5430,3205 5430,2795 5430,2693.55 5510.68,2615 5512,2613.71 v1(5512,2356.89)
  Bottom Layer w10: v1(5070,4988) 5070,4961.54 5131,4900.54 v1(5131,4879)
  Bottom Layer w20: v1(5105,2795) v1(5235,2795)
  Bottom Layer w30: v1(4354,1659) v1(4354,1815) ; v1(5090.39,2356.89) v1(5512,2356.89)
Vout33: C2.2 C3.2 C7.2 C8.2 P8.1 R38.1 U1.1 U1.5 U1.9 U1.10 U1.16 U1.22 V_LNK.2 | length 1258.3
  Top Layer w10: V_LNK.2@4511,1670 4540.83,1670 4562.36,1691.54 C2.2@4593.82,1691.54 ; C8.2@4538.46,1505 4548.46,1515 4564.8,1515 4579.33,1529.53 U1.5@4643.58,1529.53 4707.52,1529.53 ; C3.2@4558.9,1394.77 4558.9,1412.8 4577.2,1431.1 ; C2.2@4598.46,1695 4598.46,1618.44 4608.64,1608.27 U1.1@4643.58,1608.27 4708.55,1608.27 ; U1.10@4645.55,1431.1 U1.10@4643.58,1431.1 4577.2,1431.1 ; 4727.32,1450.79 U1.9@4643.58,1450.79 4596.89,1450.79 4577.2,1431.1 ; 4755,1400 4755,1407.43 4755.79,1406.64 U1.16@4755.79,1338.58 ; v1@4873.9,1275 U1.22@4873.9,1338.58 4873.9,1420.4 ; v1(4875,1275) 4875,1222.54 C7.2@4886.54,1211 R38.1@4886.54,1160
  Bottom Layer w10: P8.1@4724,1195 4767.84,1238.84 4838.84,1238.84 v1(4875,1275)
  other v1: 4580,1530
XTAL: U1.25 Y1.3 | length 89.7
  Top Layer w10: U1.25@4964.45,1391.73 4964.45,1378.66 4981.8,1361.31 5015.5,1361.31 Y1.3@5028.5,1348.31
pads on no net: J8.A8 J8.B8 J8.P2 J8.P3 J8.P4 POWER_BTN.1 RN10.4 RN10.5 S1.2b S2.2b S3.2b S4.2b S5.2b S6.2b S7.2b S8.2b S_CEW.2 S_CNW.2 S_FREQ_DOWN.1b S_FREQ_UP.1b S_PEW.1 S_PNS.2b U1.7 U1.8 U1.13 U1.14 U1.15 U2.1 U4.1 U5.11 Z5.1 Z6.1 Z7.3
copper on no net:
  other v1: 5048.82,2436.92

## Polygon pours and split planes (outlines as drawn)
no net on Multi-Layer (solid): 386.18,3546.89
no net on Top Overlay (solid): 5113,3808.46
no net on Top Overlay (solid): 4931,3848
GND on Top Layer "Top Layer-Gnd" (solid, remove dead copper, pour order 0): 1079.04,5172.68 7035,5172.68 7035,1038.76 1079.04,1038.76
GND on Bottom Layer "Bottom Layer-Gnd" (solid, remove dead copper, pour order 2): 1079.04,5180.81 7035,5180.81 7035,1046.89 1079.04,1046.89

## Keep-outs
Keep-Out Layer:
  the board outline again, w10

## Other copper
Top Layer:
  rectangle net Vout33: 4695,1385 4885,1615

## Silkscreen, mask and mechanical layers (free items; w line width, h text height)
Top Overlay:
  drawing of 217 lines, arcs and shapes, not listed
  text "Traffic" at 5300,4985 h100
  text "7" at 3235,4850 h60
  text "6" at 3385,4850 h60
  text "5" at 3535,4850 h60
  text "4" at 3695,4850 h60
  text "3" at 3835,4850 h60
  text "2" at 3985,4850 h60
  text "1" at 4145,4850 h60
  text "0" at 4285,4850 h60
  text "0" at 5485,4642 h60 r90
  text "North St" at 6129.95,4557.5 h60 r90
  text "1" at 5480,4525 h60 r90
  text "0" at 5485,4442 h60 r90
  text "Clock" at 1710,4437.5 h100
  text "East St" at 6517.5,4430.05 h60
  text "LIGHTS" at 5585,4340 h60 r90
  text "1" at 5480,4325 h60 r90
  text "Vdd" at 4709.37,4120 h60
  text "CAR" at 5590,4120 h60 r90
  text "Gnd" at 4709.37,4020 h60
  text "PED" at 5590,3910 h60 r90
  text "Dice" at 5300,3430 h100
  text "A" at 5830,3263.46 h100
  text "B" at 6190,3190 h100
  text "C" at 6780,3190 h100
  text "B" at 5830,3083.46 h100
  text "D" at 6190,2990 h100
  text "D" at 6780,2990 h100
  text "C" at 5830,2913.46 h100
  text "A" at 6485,2830 h100
  text "C" at 6190,2790 h100
  text "B" at 6780,2790 h100
  text "D" at 5830,2733.46 h100
  text "Stepper" at 5300,2340 h100
  text "Vdd" at 4709.37,2320 h60
  text "Gnd" at 4709.37,2220 h60
  text "PH0" at 5425,2065 h80
  text "PH1" at 5425,1965 h80
  text "PH2" at 5425,1865 h80
  text "PH3" at 5425,1765 h80
  text "7" at 2635.01,1580 h60
  text "6" at 2865.01,1580 h60
  text "5" at 3095.01,1580 h60
  text "4" at 3325.01,1580 h60
  text "3" at 3555.01,1580 h60
  text "2" at 3785.01,1580 h60
  text "1" at 4025,1580 h60
  text "0" at 4245.01,1580 h60
  text "Gnd" at 1720,1390 h80
  text "Swinburne University" at 5320,1265 h80
  text "www.swin.edu.au" at 5320,1145 h80
Bottom Overlay:
  drawing of 8 lines, arcs and shapes, not listed
  text "DIGITAL ELECTRONICS DESIGN" at 4245,4050 h100
  text "SWINBURNE UNIVERSITY OF TECHNOLOGY" at 4235,3630 h100
  text "Based on a design by / Jordan Boekel, Ben Gregg, Patrick Curtain" at 3705,2965 h100
  text "Ver = '.Version'" at 2150,2890 h60
  text "If found please call (+613) 9214 8319" at 4820,2585 h100
Top Solder:
  rectangle: 1555.29,1061.91 2120,1350.39
Bottom Solder:
  rectangle: 1555.29,1061.91 2120,1350.39
Mechanical 1:
  lines w10: 1036.18,1060.04 1376.18,1060.04 ; 1099.33,1036.89 1099.33,1266.89 ; 4945,1955 5295,1955 ; 4960,3040 5300,3040 ; 5005,4500 5300,4500 ; 5080,4100 5300,4100
Mechanical 15:
  lines w10: 2585,1725 4345,1725 ; 5295,4300 6170,4300 ; 5330,3040 6460,3040 ; 5435,1955 6120,1955 ; 6205,1955 6405,1955 ; 6210,4300 6310,4300 ; 6260,4250 6260,4350 ; 6305,1855 6305,2055

## Dimensions
1335.55,5193.9 to 1335.55,1060.04 on Mechanical 1
1099.33,4957.68 to 7004.84,4957.68 on Mechanical 1

## Text inside footprints (layer, text, board x,y; h text height)
Logo: Bottom Overlay "OSHW" at 1757.36,3242.37 h30; Bottom Overlay "o" at 1621.36,3139.37 h400
OLED: Top Overlay "SDA" at 1750,5030 h40; Top Overlay "SCL" at 1750,4930 h40; Top Overlay "Vcc" at 1750,4830 h40; Top Overlay "GND" at 1750,4730 h40